# KiCad board HALTEST-panel.kicad_pcb (continued)
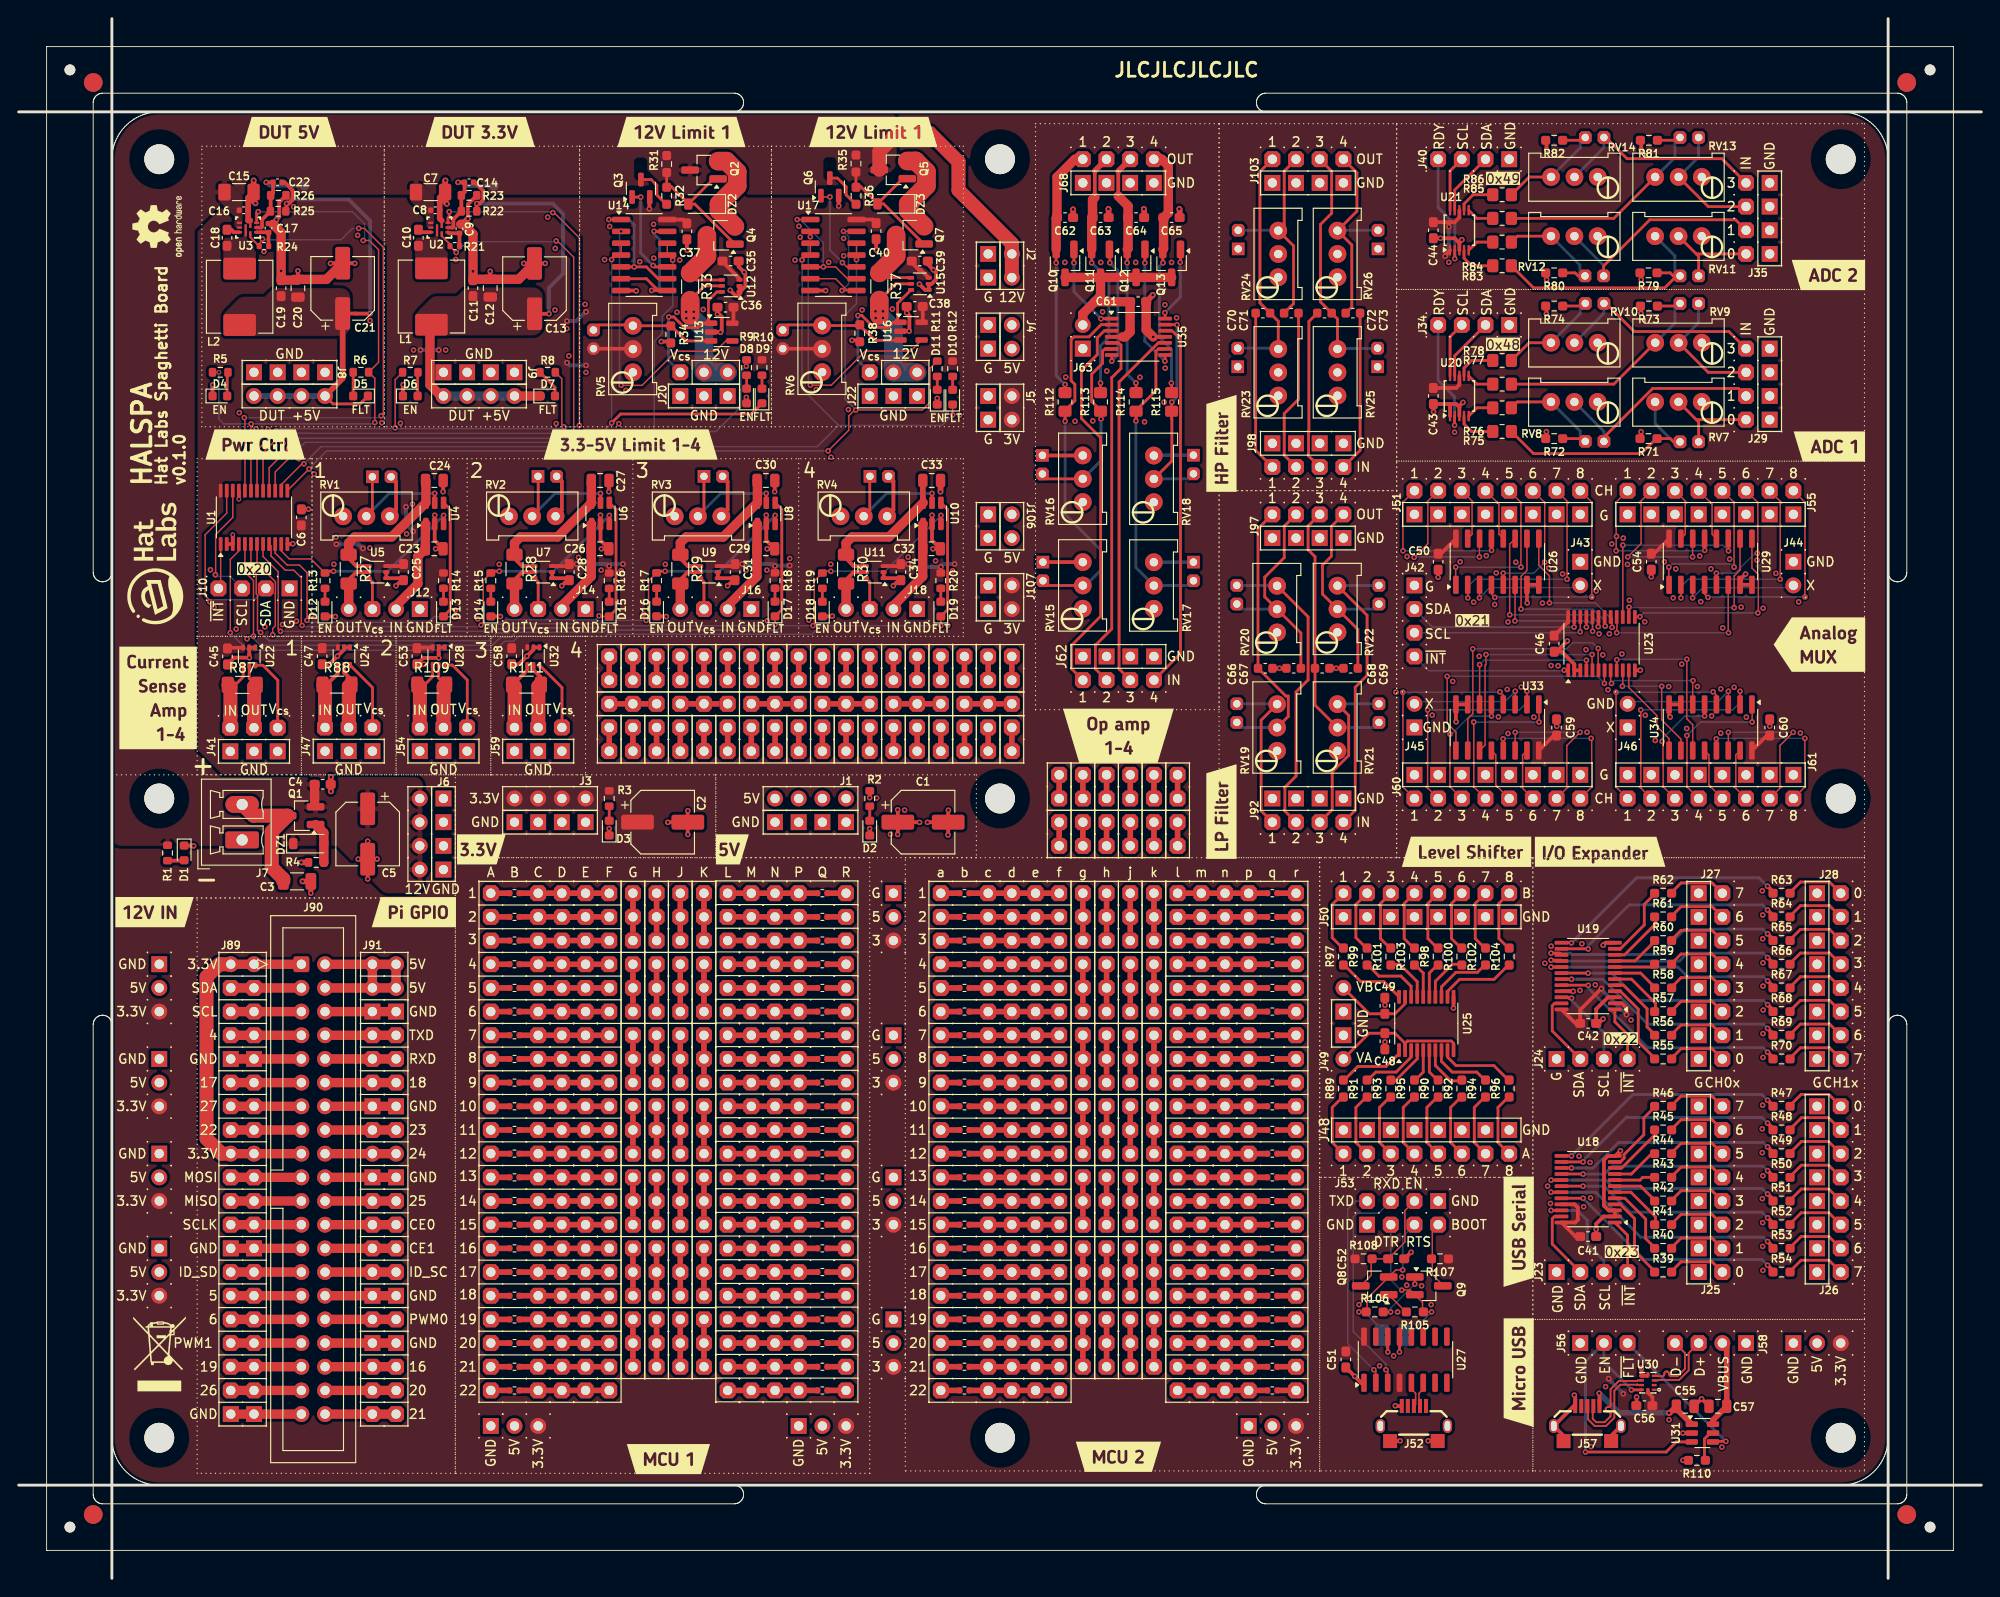
[diagram p0: board, top side]
## Placement (name value [footprint] x y rotation side) (continued)
KiKit_TO_4  -  [NPTH]  205 5.5 0 top
L1  APH0630T2R2M  [L_Chilisin_BMRx00060630]  44.28 137.51 270 top
L2  APH0630T2R2M  [L_Chilisin_BMRx00060630]  23.7 137.48 270 top
Q1  AO3401A  [SOT-23_Handsoldering]  30.34 81.82 180 top
Q2  AO3401A  [SOT-23_Handsoldering]  73.52 151.08 180 top
Q3  2N7002  [SOT-23]  66.74 149.12 90 top
Q4  AO3401A  [SOT-23_Handsoldering]  75.31 144.08 180 top
Q5  AO3401A  [SOT-23_Handsoldering]  93.81 151.1 180 top
Q6  2N7002  [SOT-23]  87 149.27 90 top
Q7  AO3401A  [SOT-23_Handsoldering]  95.61 144.1 180 top
Q8  S8050  [SOT-23_Handsoldering]  145.44 31.38 180 top
Q9  S8050  [SOT-23_Handsoldering]  151.24 31.38 0 top
Q10  SS8050  [SOT-23_Handsoldering]  112.22 141.06 270 top
Q11  SS8050  [SOT-23_Handsoldering]  116.03 141.06 270 top
Q12  SS8050  [SOT-23_Handsoldering]  119.84 141.06 270 top
Q13  SS8050  [SOT-23_Handsoldering]  123.66 141.06 270 top
R1  15k  [R_0603_1608Metric]  15.97 77.82 270 top
R2  5.1k  [R_0603_1608Metric]  91.28 83.66 270 top
R3  1.5k  [R_0603_1608Metric]  63.34 83.66 270 top
R4  100k  [R_0603_1608Metric]  31.91 76.8 180 top
R5  1.5k  [R_0603_1608Metric]  21.62 129.38 0 top
R6  2k  [R_0603_1608Metric]  36.71 129.39 180 top
R7  1.5k  [R_0603_1608Metric]  42 129.38 0 top
R8  2k  [R_0603_1608Metric]  56.74 129.38 180 top
R9  1.5k  [R_0603_1608Metric]  78.07 129.89 270 top
R10  2k  [R_0603_1608Metric]  79.72 129.89 270 top
R11  1.5k  [R_0603_1608Metric]  98.52 129.76 270 top
R12  2k  [R_0603_1608Metric]  100.17 129.76 270 top
R13  1.5k  [R_0603_1608Metric]  32.86 107.03 270 top
R14  2k  [R_0603_1608Metric]  45.56 107.03 270 top
R15  1.5k  [R_0603_1608Metric]  50.64 107.03 270 top
R16  2k  [R_0603_1608Metric]  63.34 107.02 270 top
R17  1.5k  [R_0603_1608Metric]  68.42 107.04 270 top
R18  2k  [R_0603_1608Metric]  81.12 107.04 270 top
R19  1.5k  [R_0603_1608Metric]  86.2 107.03 270 top
R20  2k  [R_0603_1608Metric]  98.9 107.03 270 top
R21  100k  [R_0402_1005Metric]  46.78 142.91 0 top
R22  100k  [R_0603_1608Metric]  48.31 146.66 180 top
R23  22k  [R_0603_1608Metric]  48.31 148.36 0 top
R24  100k  [R_0402_1005Metric]  26.31 142.91 0 top
R25  220k  [R_0603_1608Metric]  27.83 146.66 180 top
R26  30k  [R_0603_1608Metric]  27.85 148.36 0 top
R27  10m  [R_1206_3216Metric_Pad1.30x1.75mm_HandSolder]  35.4 108.27 270 top
R28  10m  [R_1206_3216Metric_Pad1.30x1.75mm_HandSolder]  53.18 108.27 270 top
R29  10m  [R_1206_3216Metric_Pad1.30x1.75mm_HandSolder]  70.96 108.27 270 top
R30  10m  [R_1206_3216Metric_Pad1.30x1.75mm_HandSolder]  88.74 108.27 270 top
R31  20k  [R_0603_1608Metric_Pad0.98x0.95mm_HandSolder]  69.5 151.72 270 top
R32  4.7k  [R_0603_1608Metric_Pad0.98x0.95mm_HandSolder]  69.5 148.32 270 top
R33  10m  [R_1206_3216Metric_Pad1.30x1.75mm_HandSolder]  72.02 138.57 270 top
R34  10k  [R_0603_1608Metric_Pad0.98x0.95mm_HandSolder]  69.94 133.44 270 top
R35  20k  [R_0603_1608Metric_Pad0.98x0.95mm_HandSolder]  89.8 151.77 270 top
R36  4.7k  [R_0603_1608Metric_Pad0.98x0.95mm_HandSolder]  89.81 148.32 270 top
R37  10m  [R_1206_3216Metric_Pad1.30x1.75mm_HandSolder]  92.31 138.59 270 top
R38  10k  [R_0603_1608Metric_Pad0.98x0.95mm_HandSolder]  90.21 133.57 270 top
R39  1k  [R_0603_1608Metric_Pad0.98x0.95mm_HandSolder]  176.37 32.86 0 top
R40  1k  [R_0603_1608Metric_Pad0.98x0.95mm_HandSolder]  176.37 35.4 0 top
R41  1k  [R_0603_1608Metric_Pad0.98x0.95mm_HandSolder]  176.37 37.94 0 top
R42  1k  [R_0603_1608Metric_Pad0.98x0.95mm_HandSolder]  176.37 40.48 0 top
R43  1k  [R_0603_1608Metric_Pad0.98x0.95mm_HandSolder]  176.37 43.02 0 top
R44  1k  [R_0603_1608Metric_Pad0.98x0.95mm_HandSolder]  176.37 45.56 0 top
R45  1k  [R_0603_1608Metric_Pad0.98x0.95mm_HandSolder]  176.37 48.1 0 top
R46  1k  [R_0603_1608Metric_Pad0.98x0.95mm_HandSolder]  176.37 50.64 0 top
R47  1k  [R_0603_1608Metric_Pad0.98x0.95mm_HandSolder]  189.07 50.64 0 top
R48  1k  [R_0603_1608Metric_Pad0.98x0.95mm_HandSolder]  189.07 48.1 0 top
R49  1k  [R_0603_1608Metric_Pad0.98x0.95mm_HandSolder]  189.07 45.56 0 top
R50  1k  [R_0603_1608Metric_Pad0.98x0.95mm_HandSolder]  189.07 43.02 0 top
R51  1k  [R_0603_1608Metric_Pad0.98x0.95mm_HandSolder]  189.07 40.48 0 top
R52  1k  [R_0603_1608Metric_Pad0.98x0.95mm_HandSolder]  189.07 37.94 0 top
R53  1k  [R_0603_1608Metric_Pad0.98x0.95mm_HandSolder]  189.07 35.4 0 top
R54  1k  [R_0603_1608Metric_Pad0.98x0.95mm_HandSolder]  189.07 32.86 0 top
R55  1k  [R_0603_1608Metric_Pad0.98x0.95mm_HandSolder]  176.37 55.72 0 top
R56  1k  [R_0603_1608Metric_Pad0.98x0.95mm_HandSolder]  176.37 58.26 0 top
R57  1k  [R_0603_1608Metric_Pad0.98x0.95mm_HandSolder]  176.37 60.8 0 top
R58  1k  [R_0603_1608Metric_Pad0.98x0.95mm_HandSolder]  176.37 63.34 0 top
R59  1k  [R_0603_1608Metric_Pad0.98x0.95mm_HandSolder]  176.37 65.88 0 top
R60  1k  [R_0603_1608Metric_Pad0.98x0.95mm_HandSolder]  176.37 68.42 0 top
R61  1k  [R_0603_1608Metric_Pad0.98x0.95mm_HandSolder]  176.37 70.96 0 top
R62  1k  [R_0603_1608Metric_Pad0.98x0.95mm_HandSolder]  176.37 73.5 0 top
R63  1k  [R_0603_1608Metric_Pad0.98x0.95mm_HandSolder]  189.07 73.5 0 top
R64  1k  [R_0603_1608Metric_Pad0.98x0.95mm_HandSolder]  189.07 70.96 0 top
R65  1k  [R_0603_1608Metric_Pad0.98x0.95mm_HandSolder]  189.07 68.42 0 top
R66  1k  [R_0603_1608Metric_Pad0.98x0.95mm_HandSolder]  189.07 65.88 0 top
R67  1k  [R_0603_1608Metric_Pad0.98x0.95mm_HandSolder]  189.07 63.34 0 top
R68  1k  [R_0603_1608Metric_Pad0.98x0.95mm_HandSolder]  189.07 60.8 0 top
R69  1k  [R_0603_1608Metric_Pad0.98x0.95mm_HandSolder]  189.07 58.26 0 top
R70  1k  [R_0603_1608Metric_Pad0.98x0.95mm_HandSolder]  189.07 55.72 0 top
R71  10k  [R_0603_1608Metric_Pad0.98x0.95mm_HandSolder]  174.81 122.27 180 top
R72  10k  [R_0603_1608Metric_Pad0.98x0.95mm_HandSolder]  164.69 122.27 180 top
R73  10k  [R_0603_1608Metric_Pad0.98x0.95mm_HandSolder]  174.85 136.49 180 top
R74  10k  [R_0603_1608Metric_Pad0.98x0.95mm_HandSolder]  164.69 136.49 180 top
R75  1k  [R_0805_2012Metric_Pad1.20x1.40mm_HandSolder]  159.1 123.03 0 top
R76  1k  [R_0805_2012Metric_Pad1.20x1.40mm_HandSolder]  159.1 125.57 0 top
R77  1k  [R_0805_2012Metric_Pad1.20x1.40mm_HandSolder]  159.1 128.11 0 top
R78  1k  [R_0805_2012Metric_Pad1.20x1.40mm_HandSolder]  159.1 130.65 0 top
R79  10k  [R_0603_1608Metric_Pad0.98x0.95mm_HandSolder]  174.81 140.05 180 top
R80  10k  [R_0603_1608Metric_Pad0.98x0.95mm_HandSolder]  164.69 140.05 180 top
R81  10k  [R_0603_1608Metric_Pad0.98x0.95mm_HandSolder]  174.85 154.27 180 top
R82  10k  [R_0603_1608Metric_Pad0.98x0.95mm_HandSolder]  164.69 154.27 180 top
R83  1k  [R_0805_2012Metric_Pad1.20x1.40mm_HandSolder]  159.1 140.81 0 top
R84  1k  [R_0805_2012Metric_Pad1.20x1.40mm_HandSolder]  159.1 143.35 0 top
R85  1k  [R_0805_2012Metric_Pad1.20x1.40mm_HandSolder]  159.1 145.89 0 top
R86  1k  [R_0805_2012Metric_Pad1.20x1.40mm_HandSolder]  159.1 148.43 0 top
R87  10m  [R_1206_3216Metric_Pad1.30x1.75mm_HandSolder]  23.98 95.85 0 top
R88  10m  [R_1206_3216Metric_Pad1.30x1.75mm_HandSolder]  34.14 95.88 0 top
R89  1k  [R_0603_1608Metric_Pad0.98x0.95mm_HandSolder]  142.08 52.54 90 top
R90  1k  [R_0603_1608Metric_Pad0.98x0.95mm_HandSolder]  152.24 52.54 90 top
R91  1k  [R_0603_1608Metric_Pad0.98x0.95mm_HandSolder]  144.62 52.54 90 top
R92  1k  [R_0603_1608Metric_Pad0.98x0.95mm_HandSolder]  154.78 52.54 90 top
R93  1k  [R_0603_1608Metric_Pad0.98x0.95mm_HandSolder]  147.16 52.54 90 top
R94  1k  [R_0603_1608Metric_Pad0.98x0.95mm_HandSolder]  157.32 52.54 90 top
R95  1k  [R_0603_1608Metric_Pad0.98x0.95mm_HandSolder]  149.7 52.54 90 top
R96  1k  [R_0603_1608Metric_Pad0.98x0.95mm_HandSolder]  159.86 52.54 90 top
R97  1k  [R_0603_1608Metric_Pad0.98x0.95mm_HandSolder]  142.08 66.7 90 top
R98  1k  [R_0603_1608Metric_Pad0.98x0.95mm_HandSolder]  152.24 66.7 90 top
R99  1k  [R_0603_1608Metric_Pad0.98x0.95mm_HandSolder]  144.62 66.7 90 top
R100  1k  [R_0603_1608Metric_Pad0.98x0.95mm_HandSolder]  154.78 66.7 90 top
R101  1k  [R_0603_1608Metric_Pad0.98x0.95mm_HandSolder]  147.16 66.7 90 top
R102  1k  [R_0603_1608Metric_Pad0.98x0.95mm_HandSolder]  157.32 66.7 90 top
R103  1k  [R_0603_1608Metric_Pad0.98x0.95mm_HandSolder]  149.7 66.7 90 top
R104  1k  [R_0603_1608Metric_Pad0.98x0.95mm_HandSolder]  159.86 66.7 90 top
R105  10k  [R_0603_1608Metric_Pad0.98x0.95mm_HandSolder]  149.74 28.58 180 top
R106  10k  [R_0603_1608Metric_Pad0.98x0.95mm_HandSolder]  145.44 28.58 0 top
R107  10k  [R_0603_1608Metric_Pad0.98x0.95mm_HandSolder]  152.44 34.28 180 top
R108  10k  [R_0603_1608Metric_Pad0.98x0.95mm_HandSolder]  144.24 34.28 0 top
R109  10m  [R_1206_3216Metric_Pad1.30x1.75mm_HandSolder]  44.3 95.88 0 top
R110  49.9k  [R_0603_1608Metric_Pad0.98x0.95mm_HandSolder]  179.99 12.66 180 top
R111  10m  [R_1206_3216Metric_Pad1.30x1.75mm_HandSolder]  54.46 95.88 0 top
R112  200k  [R_0805_2012Metric_Pad1.20x1.40mm_HandSolder]  112.22 126.2 90 top
R113  200k  [R_0805_2012Metric_Pad1.20x1.40mm_HandSolder]  116.03 126.2 90 top
R114  200k  [R_0805_2012Metric_Pad1.20x1.40mm_HandSolder]  119.84 126.2 90 top
R115  200k  [R_0805_2012Metric_Pad1.20x1.40mm_HandSolder]  123.66 126.2 90 top
R116  1k  [R_0402_1005Metric]  86.2 20.16 180 top
R117  1k  [R_0402_1005Metric]  86.2 22.7 180 top
R118  1k  [R_0402_1005Metric]  86.2 25.24 180 top
R119  1k  [R_0402_1005Metric]  86.2 27.78 180 top
R120  1k  [R_0402_1005Metric]  86.2 30.32 180 top
R121  1k  [R_0402_1005Metric]  86.2 32.86 180 top
R122  1k  [R_0402_1005Metric]  86.2 35.4 180 top
R123  1k  [R_0402_1005Metric]  86.2 37.94 180 top
R124  1k  [R_0402_1005Metric]  86.2 40.48 180 top
R125  1k  [R_0402_1005Metric]  86.2 43.02 180 top
R126  1k  [R_0402_1005Metric]  86.2 45.56 180 top
R127  1k  [R_0402_1005Metric]  86.2 48.1 180 top
R128  1k  [R_0402_1005Metric]  86.2 50.64 180 top
R129  1k  [R_0402_1005Metric]  86.2 53.18 180 top
R130  1k  [R_0402_1005Metric]  86.2 55.72 180 top
R131  1k  [R_0402_1005Metric]  86.2 58.26 180 top
R132  1k  [R_0402_1005Metric]  86.2 60.8 180 top
R133  1k  [R_0402_1005Metric]  86.2 63.34 180 top
R134  1k  [R_0402_1005Metric]  86.2 65.88 180 top
R135  1k  [R_0402_1005Metric]  86.2 68.42 180 top
R136  1k  [R_0402_1005Metric]  86.2 70.96 180 top
R137  1k  [R_0402_1005Metric]  86.2 73.5 180 top
R138  1k  [R_0402_1005Metric]  53.18 20.16 0 top
R139  1k  [R_0402_1005Metric]  53.18 22.7 0 top
R140  1k  [R_0402_1005Metric]  53.18 25.24 0 top
R141  1k  [R_0402_1005Metric]  53.18 27.78 0 top
R142  1k  [R_0402_1005Metric]  53.18 30.32 0 top
R143  1k  [R_0402_1005Metric]  53.18 32.86 0 top
R144  1k  [R_0402_1005Metric]  53.18 35.4 0 top
R145  1k  [R_0402_1005Metric]  53.18 37.94 0 top
R146  1k  [R_0402_1005Metric]  53.18 40.48 0 top
R147  1k  [R_0402_1005Metric]  53.18 43.02 0 top
R148  1k  [R_0402_1005Metric]  53.18 45.56 0 top
R149  1k  [R_0402_1005Metric]  53.18 48.1 0 top
R150  1k  [R_0402_1005Metric]  53.18 50.64 0 top
R151  1k  [R_0402_1005Metric]  53.18 53.18 0 top
R152  1k  [R_0402_1005Metric]  53.18 55.72 0 top
R153  1k  [R_0402_1005Metric]  53.18 58.26 0 top
R154  1k  [R_0402_1005Metric]  53.18 60.8 0 top
R155  1k  [R_0402_1005Metric]  53.18 63.34 0 top
R156  1k  [R_0402_1005Metric]  53.18 65.88 0 top
R157  1k  [R_0402_1005Metric]  53.18 68.42 0 top
R158  1k  [R_0402_1005Metric]  53.18 70.96 0 top
R159  1k  [R_0402_1005Metric]  53.18 73.5 0 top
R160  1k  [R_0402_1005Metric]  134.46 20.16 180 top
R161  1k  [R_0402_1005Metric]  134.46 22.7 180 top
R162  1k  [R_0402_1005Metric]  134.46 25.24 180 top
R163  1k  [R_0402_1005Metric]  134.46 27.78 180 top
R164  1k  [R_0402_1005Metric]  134.46 30.32 180 top
R165  1k  [R_0402_1005Metric]  134.46 32.86 180 top
R166  1k  [R_0402_1005Metric]  134.46 35.4 180 top
R167  1k  [R_0402_1005Metric]  134.46 37.94 180 top
R168  1k  [R_0402_1005Metric]  134.46 40.48 180 top
R169  1k  [R_0402_1005Metric]  134.46 43.02 180 top
R170  1k  [R_0402_1005Metric]  134.46 45.56 180 top
R171  1k  [R_0402_1005Metric]  134.46 48.1 180 top
R172  1k  [R_0402_1005Metric]  134.46 50.64 180 top
R173  1k  [R_0402_1005Metric]  134.46 53.18 180 top
R174  1k  [R_0402_1005Metric]  134.46 55.72 180 top
R175  1k  [R_0402_1005Metric]  134.46 58.26 180 top
R176  1k  [R_0402_1005Metric]  134.46 60.8 180 top
R177  1k  [R_0402_1005Metric]  134.46 63.34 180 top
R178  1k  [R_0402_1005Metric]  134.46 65.88 180 top
R179  1k  [R_0402_1005Metric]  134.46 68.42 180 top
R180  1k  [R_0402_1005Metric]  134.46 70.96 180 top
R181  1k  [R_0402_1005Metric]  134.46 73.5 180 top
R182  1k  [R_0402_1005Metric]  101.44 20.16 0 top
R183  1k  [R_0402_1005Metric]  101.44 22.7 0 top
R184  1k  [R_0402_1005Metric]  101.44 25.24 0 top
R185  1k  [R_0402_1005Metric]  101.44 27.78 0 top
R186  1k  [R_0402_1005Metric]  101.44 30.32 0 top
R187  1k  [R_0402_1005Metric]  101.44 32.86 0 top
R188  1k  [R_0402_1005Metric]  101.44 35.4 0 top
R189  1k  [R_0402_1005Metric]  101.44 37.94 0 top
R190  1k  [R_0402_1005Metric]  101.44 40.48 0 top
R191  1k  [R_0402_1005Metric]  101.44 43.02 0 top
R192  1k  [R_0402_1005Metric]  101.44 45.56 0 top
R193  1k  [R_0402_1005Metric]  101.44 48.1 0 top
R194  1k  [R_0402_1005Metric]  101.44 50.64 0 top
R195  1k  [R_0402_1005Metric]  101.44 53.18 0 top
R196  1k  [R_0402_1005Metric]  101.44 55.72 0 top
R197  1k  [R_0402_1005Metric]  101.44 58.26 0 top
R198  1k  [R_0402_1005Metric]  101.44 60.8 0 top
R199  1k  [R_0402_1005Metric]  101.44 63.34 0 top
R200  1k  [R_0402_1005Metric]  101.44 65.88 0 top
R201  1k  [R_0402_1005Metric]  101.44 68.42 0 top
R202  1k  [R_0402_1005Metric]  101.44 70.96 0 top
R203  1k  [R_0402_1005Metric]  101.44 73.5 0 top
REF**  -  [Pad_1x03_P2.54_1.7x1.7_Oct_Connected]  65.88 65.88 0 top
REF**#2  -  [Pad_1x03_P2.54_1.7x1.7_Oct_Connected]  116.68 58.26 0 top
REF**#3  -  [Pad_1x03_P2.54_1.7x1.7_Oct_Connected]  73.5 50.64 0 top
REF**#4  -  [Pad_1x03_P2.54_1.7x1.7_Oct_Connected]  119.22 50.64 0 top
REF**#5  -  [OSHW-Logo2_7.3x6mm_SilkScreen]  14.95 145.02 90 top
REF**#6  -  [Pad_1x02_P2.54_1.7x1.7_Oct_Connected]  91.28 98.9 0 top
REF**#7  -  [Pad_1x03_P2.54_1.7x1.7_Oct_Connected]  121.76 65.88 0 top
REF**#8  -  [Pad_1x03_P2.54_1.7x1.7_Oct_Connected]  70.96 35.4 0 top
REF**#9  -  [Pad_1x03_P2.54_1.7x1.7_Oct_Connected]  73.5 27.78 0 top
REF**#10  -  [Pad_1x03_P2.54_1.7x1.7_Oct_Connected]  65.88 73.5 0 top
REF**#11  -  [Pad_1x02_P2.54_1.7x1.7_Oct_Connected]  116.68 86.2 0 top
REF**#12  -  [Pad_1x03_P2.54_1.7x1.7_Oct_Connected]  68.42 50.64 0 top
REF**#13  -  [Pad_1x02_P2.54_1.7x1.7_Oct_Connected]  81.12 91.28 0 top
REF**#14  -  [Pad_1x03_P2.54_1.7x1.7_Oct_Connected]  73.5 73.5 0 top
REF**#15  -  [Pad_1x03_P2.54_1.7x1.7_Oct_Connected]  86.2 93.82 90 top
REF**#16  -  [Pad_1x03_P2.54_1.7x1.7_Oct_Connected]  68.42 35.4 0 top
REF**#17  -  [Pad_1x02_P2.54_1.7x1.7_Oct_Connected]  68.42 98.9 0 top
REF**#18  -  [Pad_1x03_P2.54_1.7x1.7_Oct_Connected]  114.14 65.88 0 top
REF**#19  -  [Pad_1x03_P2.54_1.7x1.7_Oct_Connected]  121.76 73.5 0 top
REF**#20  -  [Pad_1x03_P2.54_1.7x1.7_Oct_Connected]  121.76 58.26 0 top
REF**#21  -  [Pad_1x03_P2.54_1.7x1.7_Rect-2Rnd]  190.34 25.24 90 top
REF**#22  -  [Pad_1x03_P2.54_1.7x1.7_Oct_Connected]  65.88 43.02 0 top
REF**#23  -  [Pad_1x03_P2.54_1.7x1.7_Oct_Connected]  65.88 50.64 0 top
REF**#24  -  [Pad_1x03_P2.54_1.7x1.7_Oct_Connected]  114.14 35.4 0 top
REF**#25  -  [Pad_1x02_P2.54_1.7x1.7_Oct_Connected]  73.5 91.28 0 top
REF**#26  -  [Pad_1x02_P2.54_1.7x1.7_Oct_Connected]  114.14 86.2 0 top
REF**#27  -  [Pad_1x03_P2.54_1.7x1.7_Oct_Connected]  68.42 65.88 0 top
REF**#28  -  [Pad_1x02_P2.54_1.7x1.7_Oct_Connected]  101.44 91.28 0 top
REF**#29  -  [Pad_1x03_P2.54_1.7x1.7_Oct_Connected]  65.88 27.78 0 top
REF**#30  -  [Pad_1x03_P2.54_1.7x1.7_Oct_Connected]  119.22 73.5 0 top
REF**#31  -  [Pad_1x03_P2.54_1.7x1.7_Rect-2Rnd]  93.82 43.02 0 top
REF**#32  -  [Pad_1x02_P2.54_1.7x1.7_Oct_Connected]  96.36 91.28 0 top
REF**#33  -  [Pad_1x03_P2.54_1.7x1.7_Oct_Connected]  121.76 43.02 0 top
REF**#34  -  [Pad_1x02_P2.54_1.7x1.7_Oct_Connected]  106.52 91.28 0 top
REF**#35  -  [Pad_1x02_P2.54_1.7x1.7_Oct_Connected]  124.3 81.12 0 top
REF**#36  -  [Pad_1x03_P2.54_1.7x1.7_Rect-2Rnd]  93.82 27.78 0 top
REF**#37  -  [WEEE-Logo_5.6x8mm_SilkScreen]  15.1 24.07 0 top
REF**#38  -  [Pad_1x02_P2.54_1.7x1.7_Oct_Connected]  111.6 81.12 0 top
REF**#39  -  [Pad_1x03_P2.54_1.7x1.7_Oct_Connected]  121.76 35.4 0 top
REF**#40  -  [Pad_1x03_P2.54_1.7x1.7_Oct_Connected]  119.22 43.02 0 top
REF**#41  -  [Pad_1x03_P2.54_1.7x1.7_Oct_Connected]  119.22 27.78 0 top
REF**#42  -  [Pad_1x03_P2.54_1.7x1.7_Oct_Connected]  119.22 65.88 0 top
REF**#43  -  [Pad_1x02_P2.54_1.7x1.7_Oct_Connected]  98.9 98.9 0 top
REF**#44  -  [Pad_1x02_P2.54_1.7x1.7_Oct_Connected]  101.44 98.9 0 top
REF**#45  -  [Pad_1x02_P2.54_1.7x1.7_Oct_Connected]  121.76 86.2 0 top
REF**#46  -  [Pad_1x03_P2.54_1.7x1.7_Oct_Connected]  114.14 73.5 0 top
REF**#47  -  [Pad_1x02_P2.54_1.7x1.7_Oct_Connected]  121.76 81.12 0 top
REF**#48  -  [Pad_1x02_P2.54_1.7x1.7_Oct_Connected]  88.74 98.9 0 top
REF**#49  -  [Pad_1x03_P2.54_1.7x1.7_Oct_Connected]  70.96 58.26 0 top
REF**#50  -  [Pad_1x03_P2.54_1.7x1.7_Oct_Connected]  119.22 58.26 0 top
REF**#51  -  [Pad_1x03_P2.54_1.7x1.7_Rect-2Rnd]  83.66 16.35 90 top
REF**#52  -  [Pad_1x03_P2.54_1.7x1.7_Rect-2Rnd]  15.08 65.88 0 top
REF**#53  -  [Pad_1x03_P2.54_1.7x1.7_Oct_Connected]  70.96 27.78 0 top
REF**#54  -  [Pad_1x03_P2.54_1.7x1.7_Oct_Connected]  116.68 50.64 0 top
REF**#55  -  [Pad_1x03_P2.54_1.7x1.7_Oct_Connected]  116.68 65.88 0 top
REF**#56  -  [Pad_1x02_P2.54_1.7x1.7_Oct_Connected]  119.22 81.12 0 top
REF**#57  -  [Pad_1x03_P2.54_1.7x1.7_Oct_Connected]  70.96 50.64 0 top
REF**#58  -  [Pad_1x03_P2.54_1.7x1.7_Oct_Connected]  65.88 58.26 0 top
REF**#59  -  [Pad_1x02_P2.54_1.7x1.7_Oct_Connected]  93.82 98.9 0 top
REF**#60  -  [Pad_1x02_P2.54_1.7x1.7_Oct_Connected]  98.9 91.28 0 top
REF**#61  -  [Pad_1x03_P2.54_1.7x1.7_Oct_Connected]  68.42 58.26 0 top
REF**#62  -  [Pad_1x03_P2.54_1.7x1.7_Oct_Connected]  116.68 73.5 0 top
REF**#63  -  [Pad_1x03_P2.54_1.7x1.7_Oct_Connected]  68.42 73.5 0 top
REF**#64  -  [Pad_1x02_P2.54_1.7x1.7_Oct_Connected]  96.36 98.9 0 top
REF**#65  -  [Pad_1x03_P2.54_1.7x1.7_Rect-2Rnd]  93.82 58.26 0 top
REF**#66  -  [Pad_1x02_P2.54_1.7x1.7_Oct_Connected]  70.96 91.28 0 top
REF**#67  -  [Pad_1x03_P2.54_1.7x1.7_Rect-2Rnd]  131.92 16.35 90 top
REF**#68  -  [Pad_1x03_P2.54_1.7x1.7_Oct_Connected]  101.44 93.82 90 top
REF**#69  -  [Pad_1x03_P2.54_1.7x1.7_Oct_Connected]  65.88 35.4 0 top
REF**#70  -  [Pad_1x03_P2.54_1.7x1.7_Rect-2Rnd]  15.08 45.56 0 top
REF**#71  -  [Pad_1x02_P2.54_1.7x1.7_Oct_Connected]  103.98 91.28 0 top
REF**#72  -  [Pad_1x03_P2.54_1.7x1.7_Oct_Connected]  73.5 35.4 0 top
REF**#73  -  [Pad_1x03_P2.54_1.7x1.7_Oct_Connected]  68.42 27.78 0 top
REF**#74  -  [Pad_1x02_P2.54_1.7x1.7_Oct_Connected]  103.98 98.9 0 top
REF**#75  -  [Pad_1x03_P2.54_1.7x1.7_Oct_Connected]  70.96 65.88 0 top
REF**#76  -  [Pad_1x03_P2.54_1.7x1.7_Rect-2Rnd]  15.08 35.4 0 top
REF**#77  -  [Pad_1x03_P2.54_1.7x1.7_Oct_Connected]  93.82 93.82 90 top
REF**#78  -  [Pad_1x03_P2.54_1.7x1.7_Rect-2Rnd]  15.08 55.72 0 top
REF**#79  -  [Pad_1x02_P2.54_1.7x1.7_Oct_Connected]  65.88 98.9 0 top
REF**#80  -  [Pad_1x03_P2.54_1.7x1.7_Oct_Connected]  121.76 27.78 0 top
REF**#81  -  [Pad_1x03_P2.54_1.7x1.7_Oct_Connected]  73.5 43.02 0 top
REF**#82  -  [Pad_1x03_P2.54_1.7x1.7_Oct_Connected]  114.14 50.64 0 top
REF**#83  -  [Pad_1x03_P2.54_1.7x1.7_Oct_Connected]  114.14 27.78 0 top
REF**#84  -  [Pad_1x03_P2.54_1.7x1.7_Oct_Connected]  78.58 93.82 90 top
REF**#85  -  [Pad_1x02_P2.54_1.7x1.7_Oct_Connected]  124.3 86.2 0 top
REF**#86  -  [Pad_1x02_P2.54_1.7x1.7_Oct_Connected]  83.66 91.28 0 top
REF**#87  -  [Pad_1x02_P2.54_1.7x1.7_Oct_Connected]  114.14 81.12 0 top
REF**#88  -  [Pad_1x02_P2.54_1.7x1.7_Oct_Connected]  93.82 91.28 0 top
REF**#89  -  [Pad_1x03_P2.54_1.7x1.7_Oct_Connected]  73.5 65.88 0 top
REF**#90  -  [Pad_1x03_P2.54_1.7x1.7_Oct_Connected]  114.14 43.02 0 top
REF**#91  -  [Pad_1x02_P2.54_1.7x1.7_Oct_Connected]  91.28 91.28 0 top
REF**#92  -  [Pad_1x02_P2.54_1.7x1.7_Oct_Connected]  106.52 98.9 0 top
REF**#93  -  [Pad_1x03_P2.54_1.7x1.7_Oct_Connected]  116.68 43.02 0 top
REF**#94  -  [Pad_1x03_P2.54_1.7x1.7_Oct_Connected]  73.5 58.26 0 top
REF**#95  -  [Pad_1x02_P2.54_1.7x1.7_Oct_Connected]  86.2 98.9 0 top
REF**#96  -  [Pad_1x03_P2.54_1.7x1.7_Oct_Connected]  116.68 27.78 0 top
REF**#97  -  [Pad_1x03_P2.54_1.7x1.7_Oct_Connected]  68.42 43.02 0 top
REF**#98  -  [Pad_1x02_P2.54_1.7x1.7_Oct_Connected]  86.2 91.28 0 top
REF**#99  -  [Pad_1x03_P2.54_1.7x1.7_Rect-2Rnd]  50.64 16.35 90 top
REF**#100  -  [Pad_1x02_P2.54_1.7x1.7_Oct_Connected]  119.22 86.2 0 top
REF**#101  -  [Pad_1x02_P2.54_1.7x1.7_Oct_Connected]  70.96 98.9 0 top
REF**#102  -  [Pad_1x03_P2.54_1.7x1.7_Oct_Connected]  121.76 50.64 0 top
REF**#103  -  [Pad_1x02_P2.54_1.7x1.7_Oct_Connected]  111.6 86.2 0 top
REF**#104  -  [Pad_1x02_P2.54_1.7x1.7_Oct_Connected]  78.58 98.9 0 top
REF**#105  -  [Pad_1x02_P2.54_1.7x1.7_Oct_Connected]  68.42 91.28 0 top
REF**#106  -  [Pad_1x02_P2.54_1.7x1.7_Oct_Connected]  88.74 91.28 0 top
REF**#107  -  [Pad_1x03_P2.54_1.7x1.7_Oct_Connected]  114.14 58.26 0 top
REF**#108  -  [Pad_1x03_P2.54_1.7x1.7_Oct_Connected]  119.22 35.4 0 top
REF**#109  -  [Pad_1x03_P2.54_1.7x1.7_Oct_Connected]  63.34 93.82 90 top
REF**#110  -  [Pad_1x02_P2.54_1.7x1.7_Oct_Connected]  73.5 98.9 0 top
REF**#111  -  [Pad_1x03_P2.54_1.7x1.7_Oct_Connected]  116.68 35.4 0 top
REF**#112  -  [Pad_1x02_P2.54_1.7x1.7_Oct_Connected]  116.68 81.12 0 top
REF**#113  -  [Pad_1x02_P2.54_1.7x1.7_Oct_Connected]  76.04 91.28 0 top
REF**#114  -  [Pad_1x03_P2.54_1.7x1.7_Oct_Connected]  70.96 93.82 90 top
REF**#115  -  [Pad_1x02_P2.54_1.7x1.7_Oct_Connected]  63.34 91.28 0 top
REF**#116  -  [Pad_1x03_P2.54_1.7x1.7_Oct_Connected]  70.96 73.5 0 top
REF**#117  -  [Pad_1x03_P2.54_1.7x1.7_Rect-2Rnd]  93.82 73.5 0 top
REF**#118  -  [Pad_1x02_P2.54_1.7x1.7_Oct_Connected]  78.58 91.28 0 top
REF**#119  -  [Pad_1x02_P2.54_1.7x1.7_Oct_Connected]  83.66 98.9 0 top
REF**#120  -  [Pad_1x02_P2.54_1.7x1.7_Oct_Connected]  65.88 91.28 0 top
REF**#121  -  [Pad_1x02_P2.54_1.7x1.7_Oct_Connected]  76.04 98.9 0 top
REF**#122  -  [Pad_1x02_P2.54_1.7x1.7_Oct_Connected]  63.34 98.9 0 top
REF**#123  -  [Pad_1x02_P2.54_1.7x1.7_Oct_Connected]  81.12 98.9 0 top
REF**#124  -  [Pad_1x03_P2.54_1.7x1.7_Oct_Connected]  70.96 43.02 0 top
RV1  0-200k  [RES-ADJ-TH_3P-L9.5-W4.9-P2.50-L_3296W]  37.31 113.94 0 top
RV2  0-200k  [RES-ADJ-TH_3P-L9.5-W4.9-P2.50-L_3296W]  55.08 113.94 0 top
RV3  0-200k  [RES-ADJ-TH_3P-L9.5-W4.9-P2.50-L_3296W]  72.86 113.94 0 top
RV4  0-200k  [RES-ADJ-TH_3P-L9.5-W4.9-P2.50-L_3296W]  90.65 113.94 0 top
RV5  0-100k  [RES-ADJ-TH_3P-L9.5-W4.9-P2.50-L_3296W]  65.88 131.88 90 top
RV6  0-100k  [RES-ADJ-TH_3P-L9.5-W4.9-P2.50-L_3296W]  86.17 131.9 90 top
RV7  0-100k  [RES-ADJ-TH_3P-L9.5-W4.9-P2.50-L_3296W]  178.01 126.2 180 top
RV8  0-100k  [RES-ADJ-TH_3P-L9.5-W4.9-P2.50-L_3296W]  166.84 126.2 180 top
RV9  0-100k  [RES-ADJ-TH_3P-L9.5-W4.9-P2.50-L_3296W]  178.02 132.56 180 top
RV10  0-100k  [RES-ADJ-TH_3P-L9.5-W4.9-P2.50-L_3296W]  166.84 132.56 180 top
RV11  0-100k  [RES-ADJ-TH_3P-L9.5-W4.9-P2.50-L_3296W]  178.01 143.98 180 top
RV12  0-100k  [RES-ADJ-TH_3P-L9.5-W4.9-P2.50-L_3296W]  166.84 143.98 180 top
RV13  0-100k  [RES-ADJ-TH_3P-L9.5-W4.9-P2.50-L_3296W]  178.02 150.33 180 top
RV14  0-100k  [RES-ADJ-TH_3P-L9.5-W4.9-P2.50-L_3296W]  166.85 150.33 180 top
RV15  0-200k  [RES-ADJ-TH_3P-L9.5-W4.9-P2.50-L_3296W]  114.13 106.52 90 top
RV16  0-200k  [RES-ADJ-TH_3P-L9.5-W4.9-P2.50-L_3296W]  114.13 117.96 90 top
RV17  0-200k  [RES-ADJ-TH_3P-L9.5-W4.9-P2.50-L_3296W]  121.75 106.51 90 top
RV18  0-200k  [RES-ADJ-TH_3P-L9.5-W4.9-P2.50-L_3296W]  121.75 117.95 90 top
RV19  0-100k  [RES-ADJ-TH_3P-L9.5-W4.9-P2.50-L_3296W]  134.97 91.28 90 top
RV20  0-100k  [RES-ADJ-TH_3P-L9.5-W4.9-P2.50-L_3296W]  134.97 103.98 90 top
RV21  0-100k  [RES-ADJ-TH_3P-L9.5-W4.9-P2.50-L_3296W]  141.44 91.28 90 top
RV22  0-100k  [RES-ADJ-TH_3P-L9.5-W4.9-P2.50-L_3296W]  141.44 103.99 90 top
RV23  0-100k  [RES-ADJ-TH_3P-L9.5-W4.9-P2.50-L_3296W]  135.09 129.38 90 top
RV24  0-100k  [RES-ADJ-TH_3P-L9.5-W4.9-P2.50-L_3296W]  135.09 142.08 90 top
RV25  0-100k  [RES-ADJ-TH_3P-L9.5-W4.9-P2.50-L_3296W]  141.44 129.38 90 top
RV26  0-100k  [RES-ADJ-TH_3P-L9.5-W4.9-P2.50-L_3296W]  141.44 142.08 90 top
TP1  FB3  [TestPoint_Pad_D1.0mm]  50.97 149.36 0 bottom
TP2  FB3  [TestPoint_Pad_D1.0mm]  30.65 149.41 180 bottom
U1  TCA9535PWR(UMW)  [TSSOP-24_4.4x7.8mm_P0.65mm]  25.24 113.82 90 top
U2  TPS566238PRQFR  [RQF0009A]  45.12 144.91 180 top
U3  TPS566238PRQFR  [RQF0009A]  24.6 144.91 180 top
U4  AP22653AW6-7  [SOT-23-6]  44.62 114.25 90 top
U5  INA199A1DCKR  [SOT-363_SC-70-6]  38.48 107.94 180 top
U6  AP22653AW6-7  [SOT-23-6]  62.4 114.25 90 top
U7  INA199A1DCKR  [SOT-363_SC-70-6]  56.26 107.94 180 top
U8  AP22653AW6-7  [SOT-23-6]  80.18 114.25 90 top
U9  INA199A1DCKR  [SOT-363_SC-70-6]  74.04 107.94 180 top
U10  AP22653AW6-7  [SOT-23-6]  97.96 114.25 90 top
U11  INA199A1DCKR  [SOT-363_SC-70-6]  91.82 107.94 180 top
U12  INA199A1DCKR  [SOT-363_SC-70-6]  76.36 138.65 180 top
U13  LMV321-TR  [SOT-23-5]  75.41 133.7 0 top
U14  74HC02  [SOIC-14_3.9x8.7mm_P1.27mm]  67.09 141.96 0 top
U15  INA199A1DCKR  [SOT-363_SC-70-6]  96.66 138.87 180 top
U16  LMV321-TR  [SOT-23-5]  95.71 133.79 0 top
U17  74HC02  [SOIC-14_3.9x8.7mm_P1.27mm]  87.39 141.96 0 top
U18  TCA9535PWR(UMW)  [TSSOP-24_4.4x7.8mm_P0.65mm]  168.33 41.75 180 top
U19  TCA9535PWR(UMW)  [TSSOP-24_4.4x7.8mm_P0.65mm]  168.33 64.61 180 top
U20  ADS1115IDGS  [TSSOP-10_3x3mm_P0.5mm]  154.52 126.84 90 top
U21  ADS1115IDGS  [TSSOP-10_3x3mm_P0.5mm]  154.52 144.62 90 top
U22  INA199A1DCKR  [SOT-363_SC-70-6]  24.73 98.9 270 top
U23  TCA9535PWR(UMW)  [TSSOP-24_4.4x7.8mm_P0.65mm]  169.77 100.27 90 top
U24  INA199A1DCKR  [SOT-363_SC-70-6]  34.89 98.92 270 top
U25  TXS0108EPW  [TSSOP-20_4.4x6.5mm_P0.65mm]  150.97 59.52 90 top
U26  CD4051B  [SOIC-16_3.9x9.9mm_P1.27mm]  158.59 109.06 90 top
U27  CH340C  [SOIC-16_3.9x9.9mm_P1.27mm]  148.74 23.45 90 top
U28  INA199A1DCKR  [SOT-363_SC-70-6]  45.05 98.92 270 top
U29  CD4051B  [SOIC-16_3.9x9.9mm_P1.27mm]  181.45 109.06 90 top
U30  TS3USB3000RSE  [UQFN-10_L2.0-W1.5-P0.50-BL]  174.74 20.98 90 top
U31  AP22653AW6-7  [SOT-23-6]  180.58 15.59 0 top
U32  INA199A1DCKR  [SOT-363_SC-70-6]  55.21 98.92 270 top
U33  CD4051B  [SOIC-16_3.9x9.9mm_P1.27mm]  158.59 91.28 270 top
U34  CD4051B  [SOIC-16_3.9x9.9mm_P1.27mm]  181.45 91.28 270 top
U35  TLV2374IPW  [TSSOP-14_4.4x5mm_P0.65mm]  120.1 133.19 0 top

## Library data of the parts
C1 C2 C5 = -: Description: Polarized capacitor; LCSC: C5246526
C3 = -: Description: Unpolarized capacitor, small symbol; LCSC: C1848
C4 C6 C25 C28 C31 C34-C50 C53 C54 C56 C58-C65 = -: Description: Unpolarized capacitor, small symbol; LCSC: C15849
C7 C15 = -: Description: Unpolarized capacitor; LCSC: C13585
C8 C9 C16 C17 = -: Description: Unpolarized capacitor; LCSC: C52923
C10 C18 = -: Description: Unpolarized capacitor; LCSC: C14663
C11 C19 = -: Description: Unpolarized capacitor; LCSC: C15849
C12 C20 C23 C26 C29 C32 C55 = -: Description: Unpolarized capacitor; LCSC: C15850
C13 C21 = -: Description: Polarized capacitor; Notes: Min 16V; LCSC: C5246526
C14 C22 = -: Description: Unpolarized capacitor; LCSC: C1562
C24 C27 C30 C33 C57 = -: Description: Unpolarized capacitor, small symbol; LCSC: C15850
C51 C52 = -: LCSC: C15849
C66-C69 = -: Description: Unpolarized capacitor, small symbol; LCSC: C77026
C70-C73 = -: Description: Unpolarized capacitor, small symbol; LCSC: C77036
D1-D4 D6 D8 D10 D12 D14 D16 D18 = -: Description: Light emitting diode; LCSC: C2986059; Sim.Pins: 1=K 2=A
D5 D7 D9 D11 D13 D15 D17 D19 = -: Description: Light emitting diode; LCSC: C2286; Sim.Pins: 1=K 2=A
DZ1-DZ3 = -: Datasheet: https://www.lcsc.com/datasheet/lcsc_datasheet_2411211941_MDD-Microdiode-Semiconductor-BZT52C10_C173431.pdf; Description: Zener 10V; LCSC: C173431
H1-H9 = -: Description: Mounting Hole without connection
J1 J3 J6 J8 J9 J29 J35 J53 J62 J68 J92 J97 J98 J103 = -: Description: Generic connector, double row, 02x04, odd/even pin numbering scheme (row 1 odd numbers, row 2 even numbers), script generated (kicad-library-utils/schlib/autogen/connector/)
J2 J4 J5 J106 J107 = -: Description: Generic connector, double row, 02x02, odd/even pin numbering scheme (row 1 odd numbers, row 2 even numbers), script generated (kicad-library-utils/schlib/autogen/connector/)
J7 = -: Description: Generic connector, single row, 01x02, script generated (kicad-library-utils/schlib/autogen/connector/); JLCPCB_CORRECTION: 1.905;0;180; THT_LCSC: C8396
J10 J12 J14 J16 J18 J23 J24 J34 J40 J42 J49 J58 = -: Description: Generic connector, single row, 01x04, script generated (kicad-library-utils/schlib/autogen/connector/)
J11 J13 J15 J17 J19 J21 J30-J33 J36-J39 J43-J46 J63-J67 J93-J96 J99-J102 = -: Description: Generic connector, single row, 01x02, script generated (kicad-library-utils/schlib/autogen/connector/)
J20 J22 J41 J47 J54 J59 = -: Description: Generic connector, double row, 02x03, odd/even pin numbering scheme (row 1 odd numbers, row 2 even numbers), script generated (kicad-library-utils/schlib/autogen/connector/)
J25-J28 J48 J50 J51 J55 J60 J61 = -: Description: Generic connector, double row, 02x08, odd/even pin numbering scheme (row 1 odd numbers, row 2 even numbers), script generated (kicad-library-utils/schlib/autogen/connector/)
J52 J57 = -: Description: USB Micro Type B connector; LCSC: C2834965; JLCPCB_CORRECTION: 1.3;0.5;0
J56 = -: Description: Generic connector, single row, 01x03, script generated (kicad-library-utils/schlib/autogen/connector/)
J69-J88 = -: Description: Generic connector, single row, 01x22, script generated (kicad-library-utils/schlib/autogen/connector/)
J89 J91 = -: Description: Generic connector, single row, 01x20, script generated (kicad-library-utils/schlib/autogen/connector/)
J90 = -: Description: Generic connector, double row, 02x20, odd/even pin numbering scheme (row 1 odd numbers, row 2 even numbers), script generated (kicad-library-utils/schlib/autogen/connector/); THT_LCSC: C9138
JP1 JP2 = -: Description: Solder Jumper, 2-pole, closed/bridged
L1 L2 = -: Description: Inductor; LCSC: C5349701
Q1 Q2 Q4 Q5 Q7 = -: Datasheet: https://www.tme.eu/Document/d25b071532a0a1e329733a03427696ee/AO3401A-DTE.pdf; Description: SOT-23 P-MOSFET enchancement mode transistor, 30V, 4A, 1.4W, Alternate KiCAD Library; LCSC: C15127
Q3 Q6 = -: Datasheet: https://www.onsemi.com/pub/Collateral/NDS7002A-D.PDF; Description: 0.115A Id, 60V Vds, N-Channel MOSFET, SOT-23; LCSC: C8545
Q8 Q9 = -: Description: NPN transistor, base/emitter/collector; LCSC: C2146; JLCPCB_CORRECTION: 0;0;180
Q10-Q13 = -: Description: NPN transistor, base/emitter/collector; LCSC: C2150
R1 = -: LCSC: C22809
R2 = -: LCSC: C23186
R3 R5 R7 R9 R11 R13 R15 R17 R19 = -: LCSC: C22843
R4 = -: Description: Resistor, small symbol; LCSC: C25803
R6 R8 R10 R12 R14 R16 R18 R20 = -: LCSC: C22975
R21 R24 = -: Description: Resistor; LCSC: C25741
R22 = -: Description: Resistor; LCSC: C25803
R23 = -: Description: Resistor; LCSC: C31850
R25 = -: Description: Resistor; LCSC: C22961
R26 = -: Description: Resistor; LCSC: C22984
R27-R30 R33 R37 R87 R88 R109 R111 = -: Description: Resistor; LCSC: C105362
R31 R35 = -: Description: Resistor, small symbol; LCSC: C4184
R32 R36 = -: Description: Resistor, small symbol; LCSC: C23162
